# KiCad board Lime_RFE.kicad_pcb (continued)
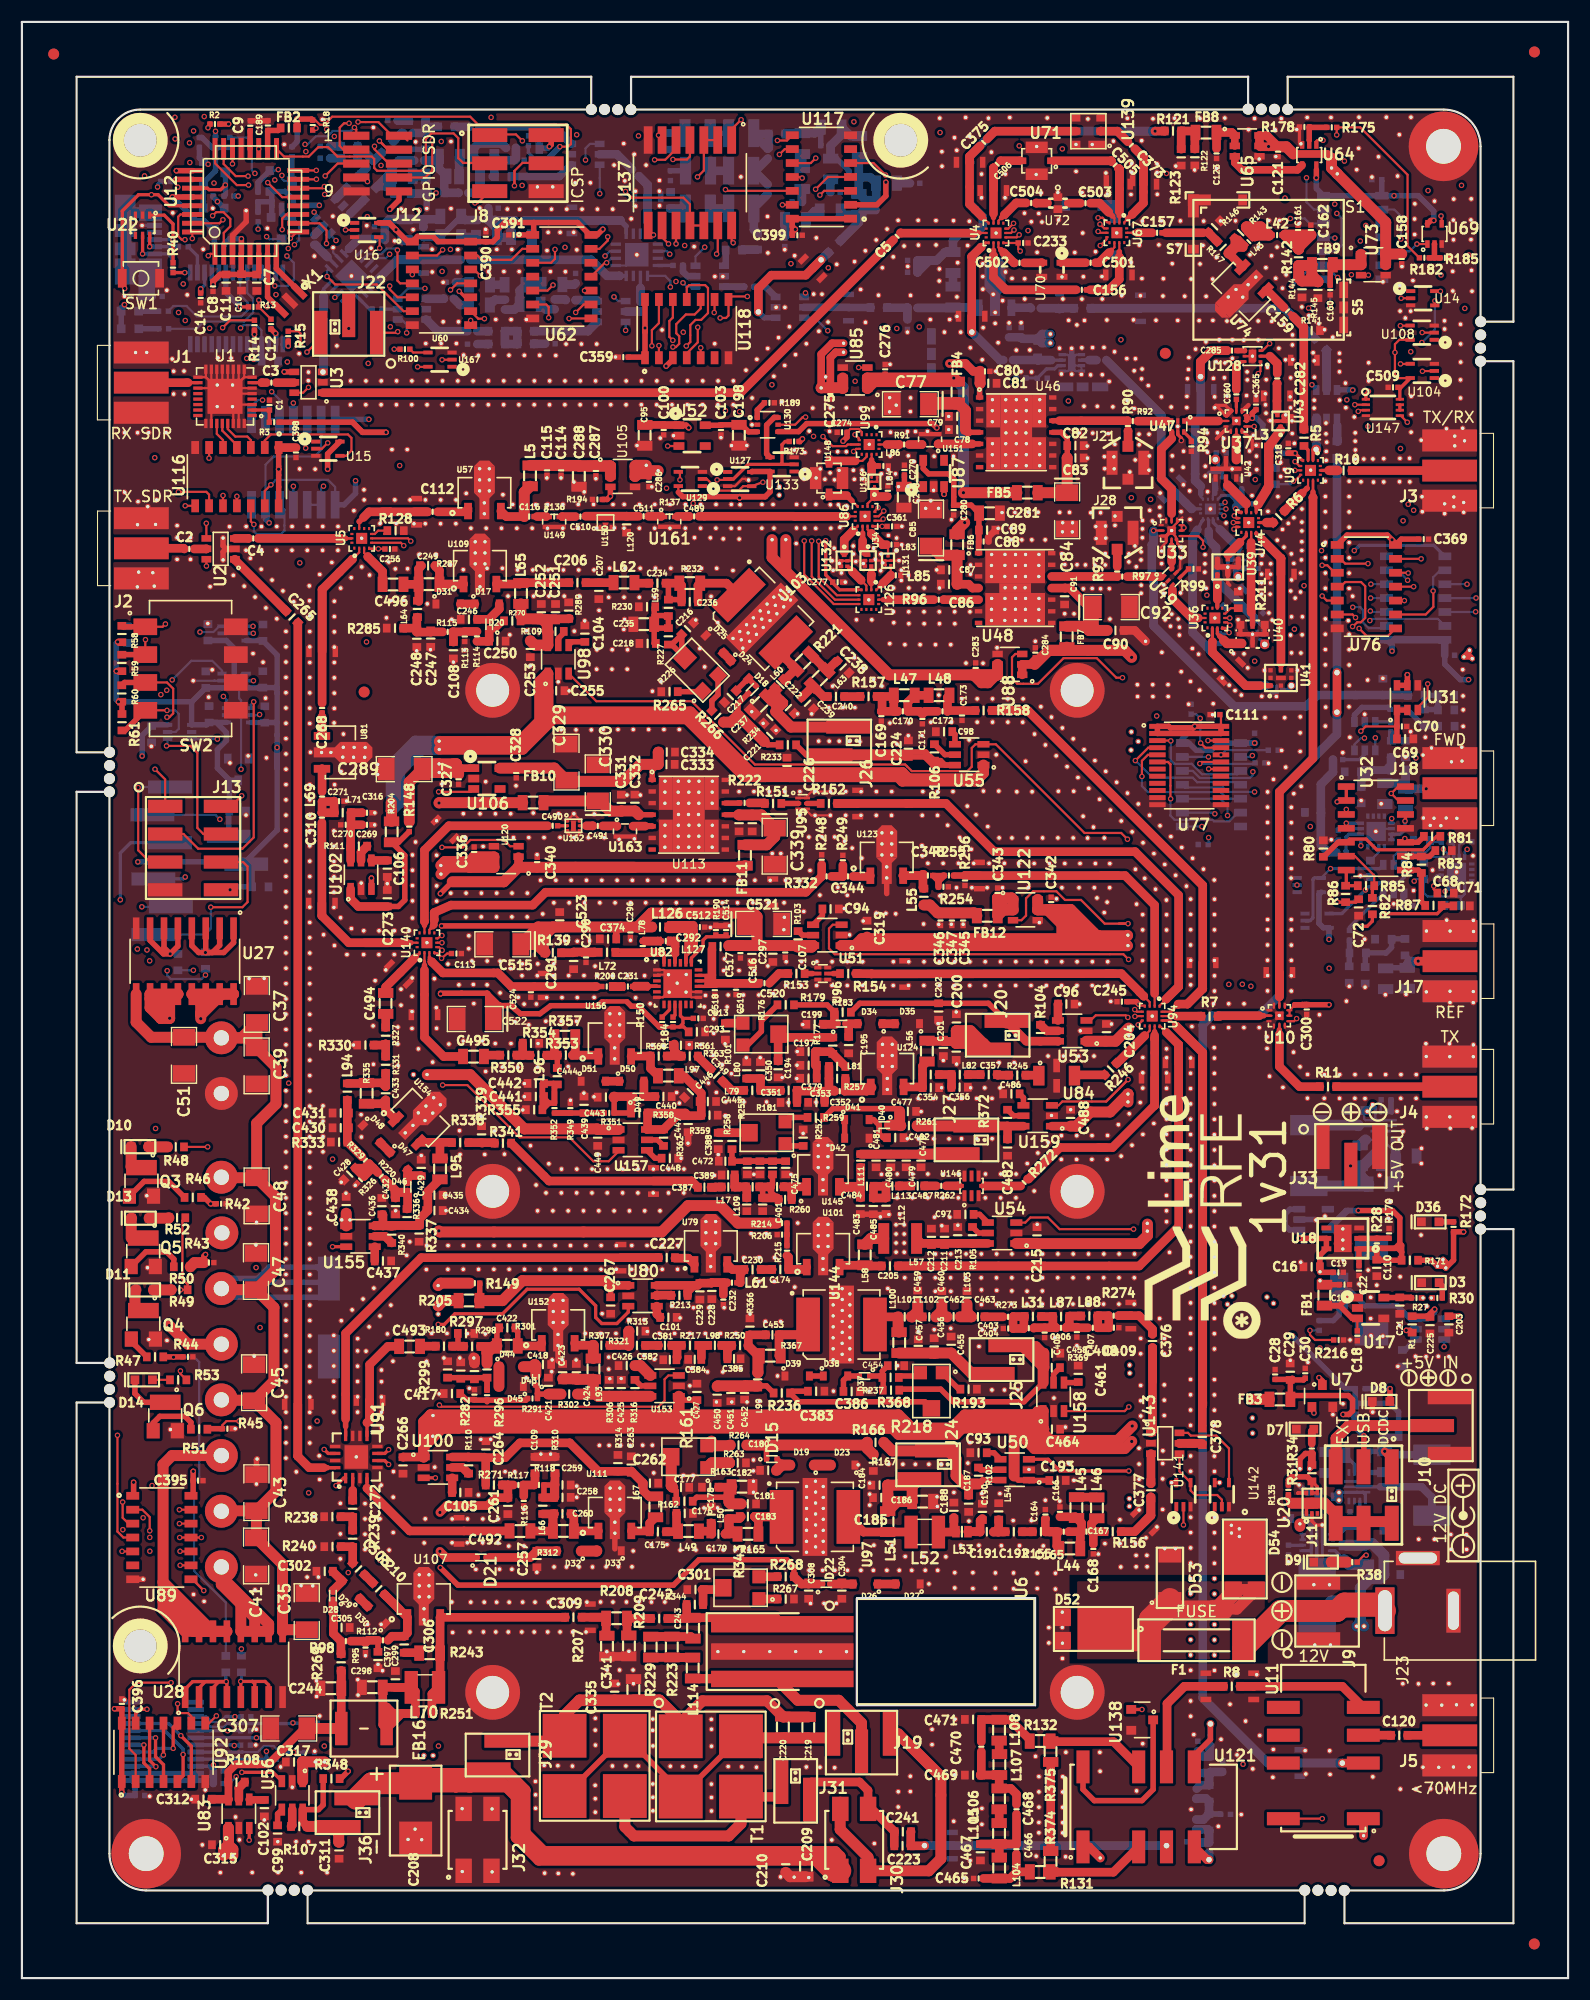
[diagram p0: board, top side]
## Routing (per net, layer and track width the routed paths; a pad name or vN(x,y) marks a point on that pad's centre or on a via; arc(x,y) is an arc through that point) (continued)
Net-(C165-Pad1): length 5.8
  T w0.79: C167.2 96.58,40.63 L44.1 ; C167.2 96.69,40.74 ; C167.2 96.69,40.74 ; C167.2 96.7,41.53 L45.2 96.13,42.1 C166.1 ; 96.69,40.74 95.53,40.74 C165.1
Net-(C167-Pad1): length 3.8
  T w0.79: L46.1 97.6,41.47 C167.1 ; C167.1 97.77,40.56 C168.1 ; C167.1 R156.2
Net-(C169-Pad1): length 6.3
  T w0.79: 78.5,116.96 79.46,116.96 L47.2 79.57,115.6 C170.2 78.43,115.6 C169.1 78.5,115.68 78.5,116.96 ; 78.5,116.96 R157.1
Net-(C170-Pad1): length 5.9
  T w0.79: C172.2 82.42,115.6 C171.1 81.92,115.6 C170.1 80.84,116.43 L47.1 L48.2
Net-(C172-Pad1): length 4.1
  T w0.79: L48.1 84.46,116.88 C172.1 84.53,115.67 C173.1 87,115.67 R158.2
Net-(C174-Pad1): length 3.1
  T w0.79: U101.1 71.41,64.67 C174.1 69.96,65.79 R215.1
Net-(C175-Pad1): length 2.7
  T w0.79: 59.74,40.82 59.74,42.4 C176.1 ; L49.2 59.83,40.73 C175.1
Net-(C177-Pad2): length 7.1
  T w0.5: R162.2 59.71,44.47 C177.2 59.39,47.6
  T w1: C177.2 59.25,44.92 R161.2
Net-(C178-Pad1): length 2.3
  T w0.79: 62.94,40.52 62.94,41.5 C178.1 ; 62.96,40.53 62.71,40.78 L49.1
Net-(C179-Pad1): length 6.8
  T w0.79: L50.2 65.47,41.94 65.65,42.12 ; L50.2 64.53,40.89 ; L50.2 64.53,40.89 ; L50.2 64.53,41.12 65.12,40.53 R165.2 65.3,40.53 64.16,40.53 64.53,40.89 ; L50.2 64.51,41.92
Net-(C180-Pad1): length 2.1
  T w0.5: 69.34,46.81 69.34,46.93 D15.2
  T w1: D19.2 69.34,46.81 C180.1
Net-(C181-Pad1): length 7.6
  T w0.5: L50.1 64.08,43.88 61.58,43.88 R162.1
  T w0.79: C182.2 64.73,44.8 R163.2
  T w1: 64.78,44.85 C182.2 64.53,44.59 L50.1 64.68,43.28 65.64,43.28
Net-(C183-Pad1): length 6.7
  T w0.79: R165.1 67.21,41.76 66.85,42.12 ; 66.85,42.12 69.29,42.12 U97.1 66.88,42.09 66.85,42.12
Net-(C184-Pad1): length 15
  T w0.2: 67.95,47.38 67.95,48.64
  T w0.5: 67.95,48.64 67.95,47.38 D15.1
  T w1: R264.2 76.9,48.64 R166.1 77.15,48.33 C184.1
Net-(C185-Pad2): length 10.5
  T w1: 79,45 R167.1 ; R167.1 79.02,43.85 79.02,43.84 79.02,42.63 L51.1 79.88,43.49 C186.1 81.24,44.92 J24.1 81.31,44.99 R167.1
Net-(C187-Pad1): length 16.2
  T w0.5: 87.65,45.44 R102.1 87.65,45.44 ; 87.65,45.44 U50.6 ; 87.65,45.44 88.9,45.44
  T w0.79: 86,45.09 86.4,44.69 C187.1
  T w1: R102.1 86,45.09 85.25,45.84 85.25,47.39 84.53,48.11 J24.2 79.43,48.11 R166.2
Net-(C188-Pad1): length 3
  T w0.79: 85.05,42.04 85.05,40.93 L53.2 85.2,40.7 L52.1
Net-(C189-Pad2): length 3
  T w0.5: FB2.1 23.38,168.6 C189.2 22.42,168.58 U12.18
Net-(C190-Pad1): length 3.4
  T w0.79: 87.65,41.94 87.45,41.74 87.45,40.71 87.41,40.74 L53.1 87.3,40.74 C191.1
Net-(C191-Pad2): length 3.6
  T w0.79: 88.65,40.71 88.65,40.71 89.05,40.71 ; 89.05,40.71 89.05,40.94 89.05,40.8 89.14,40.71 L54.1 ; 89.05,40.71 89.68,40.71 ; C191.2 C192.2
Net-(C194-Pad2): length 7.5
  T w0.79: R177.1 69.35,85.84 R176.2 69.01,86.11 C194.2
Net-(C195-Pad1): length 2.3
  T w0.79: C195.1 75.45,86.92 D16.2 D34.2
Net-(C196-Pad1): length 5.7
  T w0.7: C196.1 72.53,83.28 C379.1
  T w0.79: 72.4,83.29 72.4,84.54 73.8,84.54 R177.2 L81.1
Net-(C199-Pad1): length 6.3
  T w0.5: R183.1 73.47,88.81 R179.1
  T w0.79: R183.1 74.15,87.27 D16.1 74.27,87.04 C199.1
Net-(C200-Pad2): length 18.8
  T w0.79: 84.11,85.47 87.55,85.47 J20.1 ; 84.11,85.47 85.27,85.47 ; 84.11,85.47 84.09,85.49 82.65,85.49 L56.1
  T w1: 87.72,85.29 C380.2 85.27,85.29 85.27,86.44 C200.2 ; 87.72,85.29 86.44,85.29 C200.2 ; 87.72,85.29 J20.1 ; 87.72,85.29 J20.1 ; J20.1 86.56,86.45 C200.2
Net-(C202-Pad1): length 21
  T w0.5: R183.2 76.46,88.95 C202.1 88.2,88.95 J20.2
  T w0.79: 89.9,87.36 J20.2 ; J20.2 89.85,87.04 ; J20.2 91.66,85.49 R104.1 94.54,85.49 U53.6
Net-(C205-Pad2): length 3.9
  T w0.79: U101.3 74.78,65.05 L58.2 76.99,64.98 C205.2
Net-(C206-Pad1): length 2.5
  T w0.79: C206.1 C207.1 L62.2
Net-(C208-Pad1): length 162.7
  T w1: 40.22,17.75 40.27,17.71 40.19,17.78 C208.1 ; J29.1 40.96,17.45 40.77,17.45 ; J29.1 42.19,18.67 39.56,18.67 ; J29.1 45.11,16.57 ; J29.1 43.1,18.59 42.29,17.78 C208.1 ; J29.1 43.97,19.08 ; J29.1 41.24,19.08 39.6,17.45 ; 39.6,17.45 39.56,17.49 39.56,18.67 ; 39.6,17.45 39.26,17.78 C208.1 ; 39.6,17.45 36.27,17.45 C208.1 ; 39.6,17.45 40.77,17.45 ; C208.1 36.82,18.67 39.56,18.67 ; C208.1 36.86,17.78 ; C208.1 36.8,17.78 ; C208.1 36.96,17.78 ; C208.1 36.36,17.78 ; 45.11,16.57 44.24,17.45 40.77,17.45 ; 45.11,16.57 45.11,12.82 47.17,10.77 74.3,10.77 74.67,10.4 ; 43.97,19.08 45.91,17.14 ; 43.97,19.08 45.91,17.14 ; 45.91,17.14 45.91,13.25 47.62,11.54 ; 47.62,11.54 73.53,11.54 74.67,10.4 ; 47.62,11.54 74.22,11.54 74.67,11.09 74.67,10.4 ; C209.2 69.71,11.16 C210.2 ; 39.56,18.67 41.88,18.67
  T w2: J36.1 31.93,17.78 C208.1 ; 73.1,10.77 74.08,9.79 J30.1
Net-(C211-Pad2): length 6.7
  T w0.79: L57.1 82.1,67.04 C213.1 R105.1 U54.6
Net-(C214-Pad1): length 1.6
  B w0.5: U110.4 126.24,57.32 C214.1
Net-(C216-Pad2): length 5.6
  T w0.5: 59.3,121.69 R226.2 60.22,120.77 C216.2 59.3,121.69 ; 59.3,121.69 R227.1
Net-(C217-Pad1): length 2.6
  T w0.5: D18.2 66.96,117.93 D24.2 65.18,117.5 C217.1
Net-(C218-Pad1): length 7.6
  T w0.5: C235.1 58.05,123.19 R227.2 L59.1 ; C235.1 57.7,124.34 ; C235.1 57.7,121.79 57.7,121.79 ; R230.2 57.7,125.04 57.7,124.34 ; 57.7,124.34 58.95,124.34 L59.1 ; L59.1 58.65,124.29
Net-(C219-Pad1): length 46.3
  T w0.3: 60.12,17.02 T2.1
  T w0.5: T2.3 T2.1 60.12,17.02 T1.3 T1.1 ; T1.1 67.37,20.31 ; T1.1 66.38,22.07
  T w0.79: 60.71,15.62 60.71,17.21
  T w1: 69.47,21.92 C219.1 ; C219.1 65.76,21.92 T1.1 65.72,21.96 ; C219.1 73.71,21.92 J19.1
Net-(C219-Pad2): length 49.9
  T w0.5: 49.52,23.15 T2.2 49.42,22.21
  T w1: 60.12,23.32 62.1,25.3 67.99,25.3 C220.2 69.47,23.83 C219.2 ; 58.22,25.32 60.12,23.43 58.16,25.38 C341.2 ; 58.22,25.32 50.85,25.32 49.52,23.99 ; 58.22,25.32 57.5,25.32 57.44,25.38 C335.2 50.91,25.38 49.52,23.99 ; 49.52,23.99 T2.2 ; 49.52,23.99 T2.2 ; T2.2 49.03,21.62 J29.2
Net-(C221-Pad1): length 12.3
  T w0.5: D18.1 65.35,116.29 65.35,115.24 68.05,112.54 R233.1
  T w1: R266.2 64.72,114.61 65.35,115.24 67.72,112.87 C221.1
Net-(C222-Pad2): length 14.8
  T w0.79: C237.2 68.76,117.66 L60.1 68.81,117.08 69.52,116.37 69.52,116.32 R234.2 ; C237.2 68.78,116.16 R234.2 ; C237.2 68.02,116.91 ; R234.2 70.19,114.16 ; R234.2 68.97,115.57
  T w1: R234.2 70.19,114.16 J26.1
Net-(C223-Pad2): length 17
  T w0.79: 71.76,14.9 71.76,17.61 72.04,17.89 76.44,17.89 77.21,17.12 77.21,16.05 ; 77.21,15.11 77.21,16.05 ; 77.21,16.05 77.21,15.15 77.21,16.05 ; C223.2 79.61,13.32 C241.2 77.56,15.44 J30.3
Net-(C224-Pad1): length 20.3
  T w0.5: R233.2 71.57,111.62 J26.2 ; 83.12,110.69 82.37,111.44 C224.1 80.72,111.62 80.98,111.89 82.49,111.89 R106.1 83.83,111.1 84.24,110.69 U55.6 83.12,110.69
  T w1: J26.2 80.72,111.62
Net-(C227-Pad1): length 2
  T w0.79: U79.1 60.81,65.69 59.6,65.69
Net-(C228-Pad1): length 9.9
  T w0.79: 62.96,63.46 C228.1 ; 62.96,63.46 C228.1 ; 62.96,63.46 L61.1 ; 62.96,63.46 64.05,63.46 64.01,63.42 C232.1 ; C228.1 62.92,63.42 C229.1 61.66,63.21 61.31,63.21 ; 61.31,63.21 60.75,62.66 R213.1 ; 61.31,63.21 U80.6
Net-(C230-Pad2): length 3.4
  T w0.5: L61.2 65.55,63.46
  T w0.79: 65.55,63.46 65.55,64.28 C230.2 64.84,64.66 U79.3
Net-(C231-Pad1): length 7.2
  T w0.2: 54.44,90.19 53.86,90.19 53.84,90.21 53.84,90.78 53.85,90.79 54.17,90.79 ; 54.44,90.19 54.7,90.19 54.74,90.23 54.74,90.73 54.68,90.79 ; 54.44,90.19 54.95,90.19 54.98,90.22 54.98,90.74 54.93,90.79 54.68,90.79 ; 54.44,90.19 53.68,90.19 53.67,90.18 53.67,90.78 53.66,90.79 54.17,90.79 ; 54.17,90.79 54.68,90.79
  T w0.3: 53.84,90.5 53.85,90.49
  T w0.5: R200.1 54.74,90.49
Net-(C231-Pad2): length 11.4
  T w0.2: 57.99,90.5 57.1,90.5
  T w0.3: U82.4 55.62,90.5 55.62,90.5 ; U82.4 55.65,90.5 55.64,90.49 ; U82.4 57.1,90.5 ; U82.4 57.35,90.5 57.1,90.76 55.88,90.76 55.62,90.5 ; U82.4 57.36,90.5 57.12,90.26 55.87,90.26 55.62,90.5
Net-(C234-Pad1): length 5.9
  T w0.5: C236.2 60,125.79 L59.2 59,127.04 C234.1
  T w0.79: C234.1 R232.2 60.2,127.09 C236.2
Net-(C234-Pad2): length 1.4
  T w0.79: L62.1 55.95,127.29 C234.2
Net-(C236-Pad1): length 6.8
  T w0.79: 64.85,126.74 U103.1 ; U103.1 64.3,127.29 R232.1 61.7,127.09 C236.1 ; U103.1 65.09,126.2
Net-(C238-Pad1): length 3.4
  T w0.79: C238.1 74.33,120.17 L63.2 R221.1
Net-(C239-Pad1): length 3.3
  T w0.79: C239.1 72.12,117.83 L63.1 73.14,116.95 C240.2
Net-(C242-Pad1): length 12
  T w0.79: 60.84,32.88 60.77,32.81 C242.1 ; 60.84,32.88 60.66,33.06 R344.2 ; 60.84,32.88 68.8,32.88 U6.1
Net-(C242-Pad2): length 3.9
  T w0.79: C242.2 57.39,32.83 R208.1 55.22,31.52 55.48,31.25
Net-(C243-Pad1): length 5.9
  T w0.79: 57.4,31.17 61.05,31.17 C243.1 ; 57.4,31.17 R229.1 57.4,31.17 ; 57.4,31.17 R223.1
Net-(C244-Pad1): length 23
  T w0.7: C307.1 25.74,22.78 22.47,19.5 19.52,19.5 18.83,18.81 R108.1 18.85,17.87 U83.6
  T w0.79: 29.12,28.02 29.14,27.99 FB16.1 29.17,22.75 ; U83.6 18.82,16.32 C312.1 ; R269.1 29.14,28.06 C244.1
  T w1: 29.12,22.75 FB16.1 29.14,22.78 C307.1
Net-(C246-Pad1): length 2.9
  T w0.79: D17.2 43.56,124.93 D20.2 42.62,123.99 C246.1
Net-(C247-Pad1): length 5
  T w0.79: R115.1 37.31,122.85 37.29,122.82 36.04,122.82 36.04,123.19 ; L64.1 36.04,124.13 36.04,123.19 ; 36.04,123.19 R285.2
Net-(C249-Pad1): length 6.3
  T w0.79: 37.67,128.88 38.1,128.45 R287.1 ; R287.1 38.12,127.21 U109.1 40.28,127.19 R287.1
Net-(C249-Pad2): length 4.8
  T w0.79: 36.47,128.88 36.2,128.61 R287.2 ; R287.2 36.19,127.19 C496.2 ; R287.2 36.22,127.17 36.22,125.63
Net-(C250-Pad1): length 3.8
  T w0.5: R270.2 43.21,123.07 D20.1
  T w0.79: D20.1 42.65,122.09 42.54,121.99 R114.2
Net-(C251-Pad2): length 15
  T w0.7: C252.2 47.95,123.34 R109.1
  T w0.79: 45.5,125.37 L65.1 45.53,124.34 ; 47.35,123.99 47.4,124.04 ; 47.4,124.04 R289.1 49.95,124.09 ; 47.4,124.04 47.3,123.94 ; 47.4,124.04 48.7,124.04 ; 46.65,123.94 47.9,123.94
  T w1: 47.95,123.89 47.9,123.94 47.95,123.89 ; 47.95,123.89 R109.1 ; 48,122.84 R109.1 ; 48,122.84 R109.1 ; 48,122.84 U98.6 46.8,121.64 C253.1 ; L65.1 45.53,124.34 45.83,124.04 47.4,124.04
Net-(C254-Pad1): length 1
  B w0.5: L26.2 36.81,166.88 C254.1
Net-(C257-Pad1): length 8.8
  T w0.5: 46.39,38.39 C257.1 ; 48.79,38.99 D32.2 48.8,38.98 47.66,38.98 ; D21.2 42.66,38.39
  T w0.79: 48.79,38.99 D32.2 48.79,38.99 ; 48.79,38.99 C257.1 46.39,38.39 42.66,38.39
Net-(C258-Pad1): length 7.7
  T w0.5: 48.61,43.87 48.6,43.86 L66.1 47.64,43.96 R118.1 48.63,45
  T w0.79: 48.61,43.87 48.63,43.89 48.63,45 48.65,45.01 R310.1 ; C259.1 C258.1 48.57,43.86 L66.1
Net-(C260-Pad1): length 3.9
  T w0.79: C260.1 50.36,42.09 R312.1 50.38,40.81 U111.1
Net-(C260-Pad2): length 6.1
  T w0.79: C492.2 46.41,40.79 R312.2 ; R312.2 48.46,42.25 C260.2 48.57,42.36 L66.2 ; R312.2 48.46,42.12
Net-(C261-Pad1): length 17.3
  T w0.5: v1(38.15,38.94) 38.7,38.39
  T w0.79: 43.82,45 R271.2 44.35,45 ; 44.35,45 44.35,44.74 44.35,45 ; 44.35,45 R117.2 ; 44.35,45 44.35,43.79 ; v1(38.15,38.94) 38.7,38.39 D21.1 ; v1(38.15,42.49) 38.78,43.13 42.51,43.13 43.23,43.84 C261.1
  SIG1 w0.79: v1(38.15,38.94) v1(38.15,42.49)
Net-(C262-Pad2): length 23.8
  T w0.79: 42.2,47.54 42.32,47.41 R271.1 ; L67.1 57.22,43.96 56.71,44.47 56.71,45.16 55.61,46.27 55.59,46.24 R314.2 52.6,46.24 50,48.84 45.45,48.84 44.1,47.49 C264.1 ; U100.6 40.75,47.55 R110.1 41.95,47.54
Net-(C265-Pad2): length 6.7
  T w0.79: C265.2 19.43,129.43 U2.1
Net-(C268-Pad2): length 2.1
  T w0.2: 27.38,115.44 C268.2
  T w0.5: C268.2 27.38,115.44 27.38,115.1 ; U81.1 27.38,113.75
  T w0.79: 27.38,113.75 27.39,113.75 27.38,113.76 27.38,115.1
Net-(C269-Pad2): length 6.4
  T w0.79: C270.2 30.02,105.27 L71.1 31.04,106.35 C316.1 ; C270.2 R111.1 U102.6 ; C270.2 C269.2
Net-(C271-Pad1): length 4.4
  T w0.79: 27.39,106.36 C310.1 27.38,106.35 L71.2 28.49,106.38 C271.1 28.45,107.37 L69.1 27.39,106.36
Net-(C272-Pad1): length 2.3
  T w0.79: R238.2 30.16,42.1 C272.1 R239.1
Net-(C282-Pad2): length 2.7
  T w0.3: U128.2 113.89,148.01
  T w0.79: 113.89,148.01 114.56,147.34 C282.2
Net-(C285-Pad1): length 0.7
  T w0.5: C285.1 111.56,148.52 U128.4
Net-(C290-Pad2): length 5.3
  T w0.1: C290.2 51.5,93.61 L72.1
  T w0.79: 52.18,93.57 51.23,93.57 51.3,93.64 ; 52.25,93.64 51.3,93.64 ; 51.3,93.64 50.37,93.64 50.3,93.57 49.24,93.57
Net-(C292-Pad1): length 13.2
  T w0.2: 58.97,94.93 59.25,94.93 59.25,94.68 59.2,94.64 C292.1 ; 58.97,94.93 58.92,94.88 58.92,94.64 ; 58.97,94.93 59.89,94.93 59.89,94.13 59.84,94.08 ; 58.97,94.93 59.2,94.69 C292.1 ; 58.97,94.93 58.97,94.87 C292.1 ; 58.92,94.64 58.92,94.33 59.1,94.33 ; 58.92,94.64 59.2,94.64 C292.1 ; 59.1,94.33 59.35,94.33 59.35,94.38 ; 59.1,94.33 59.1,94.52 C292.1
  T w0.3: 59.67,94.7 59.35,94.38 59.35,93.42 59.59,93.17 U82.22 ; 59.67,94.7 59.67,94.52 59.59,94.45 59.59,93.92 ; 59.67,94.7 59.68,94.71 ; 59.59,93.92 59.59,94.24 C292.1 59.45,94.88 59.77,94.88 59.84,94.81 59.84,93.43 59.59,93.19 U82.22 ; 59.59,93.92 U82.22
Net-(C292-Pad2): length 6.5
  T w0.2: 58.03,94.93 56.7,94.93 56.65,94.88 L78.2 56.65,94.48 56.81,94.33 58.31,94.33 58.3,94.33 C292.2 ; 58.03,94.93 58.3,94.65 C292.2 ; 58.03,94.93 58.3,94.93 58.3,94.93 C292.2
  T w0.3: 56.66,94.63 L78.2
  T w0.6: L78.2 56.66,94.63 C292.2
Net-(C294-Pad2): length 5.3
  B w0.79: 119.06,148.28 119.05,148.28 119.05,146.58 ; 119.05,146.58 119.05,148.55 C294.2 ; 119.05,146.58 U8.5
Net-(C295-Pad1): length 1.2
  B w0.79: C295.1 34.64,168.37 L27.2
Net-(C295-Pad2): length 3.4
  B w0.79: C295.2 36.8,168.37 L26.1 36.82,168.91 ; 36.82,168.91 36.82,169.49 L23.1 ; 36.82,168.91 36.85,168.94 L20.1
Net-(C298-Pad1): length 18.8
  T w0.79: L70.1 35.91,26.15 R251.2 ; L70.1 35.52,26.52 ; L70.1 35.38,26.38 ; L70.1 35.52,26.52 ; L70.1 C298.1 32.93,23.13 FB16.2 ; 35.52,26.52 C299.1 ; FB16.2 34.65,24.14 R251.2 ; FB16.2 33.28,24.74 33.88,24.14 R251.2
Net-(C301-Pad2): length 3.4
  T w0.79: R343.2 63.84,35.45 62.07,35.45 62.16,35.36 R344.1
Net-(C302-Pad1): length 2.5
  T w0.79: C302.1 28.38,37.09 D29.2 28.4,35.38 D28.2
Net-(C303-Pad1): length 1.1
  T w0.79: R210.2 31.27,36.81 C303.1
Net-(C303-Pad2): length 2.6
  T w0.79: C303.2 30.18,37.87 R239.2 30.16,39.37 R240.2
Net-(C304-Pad1): length 2
  T w0.79: D22.2 73.88,35.96 74.82,35.96 D26.2
Net-(C305-Pad1): length 5.2
  T w0.79: R269.2 29.11,29.59 R98.2 28.42,31.44 C305.1 28.44,32.02 28.44,33.24 28.38,33.3 D28.1
Net-(C306-Pad1): length 1.4
  T w0.79: R243.1 36.22,29.69 C306.1
Net-(C306-Pad2): length 8.3
  T w0.79: 34.42,33.68 33.11,34.99 R210.1 33.1,34.99 U107.1 35.17,31.49 C306.2 33.77,31.19 R112.1
Net-(C308-Pad1): length 65.6
  T w0.5: v1(38.18,37.46) 39.78,35.86 59.46,35.86 61.78,38.18 69.81,38.18 70.45,37.53 R268.2 ; v1(29.77,18.87) 29.1,18.2 R348.1
  T w0.79: R268.2 71.13,35.96 71.79,35.96 71.8,35.97 D22.1
  SIG1 w0.5: v1(29.78,37) 29.77,36.99 v1(29.77,18.87)
  SIG2 w0.5: v1(29.78,37) 30.24,37.46 v1(38.18,37.46)
Net-(C309-Pad2): length 20.5
  T w0.79: C309.2 49.57,32.92 U107.3 38.16,32.91 R243.2 38.16,26.67 L70.2 37.41,25.92 R251.1
Net-(C311-Pad1): length 9.5
  T w0.5: R348.2 27.49,15.8 27.06,15.37 U56.6
  T w0.79: 26.05,13.83 R107.1 25.62,14.28 U56.6
  T w1: J36.2 28.91,12.42 C311.1 ; R107.1 27.89,13.84
Net-(C313-Pad2): length 2.4
  B w0.3: 120.04,142.33 120.04,141.33 120.03,141.31
  B w0.79: 120.04,141.64 120.04,140.25
  B w0.86: 120.04,140.25 120.04,140.25
Net-(C314-Pad1): length 1
  B w0.79: C314.1 29.12,167.17 L28.2
Net-(C320-Pad1): length 5
  B w0.79: 42.97,164.41 43.1,164.54 L73.2 43.42,165.89 C320.1 45.08,166.02 C321.2
Net-(C321-Pad1): length 8.7
  B w0.79: C321.1 43.78,167.42 41.67,167.42 41.2,166.95 L73.1 41.81,165.6 L74.2 41.81,162.92 C322.1 C323.2
Net-(C323-Pad1): length 6.4
  B w0.79: C323.1 39.84,162.92 C324.1 38.55,164.23 L76.2 38.05,165.12 38.05,166.2 37.72,165.87 C325.2
Net-(C325-Pad1): length 8.3
  B w0.79: L77.1 33.76,165.22 34.4,165.87 C325.1 ; L77.1 33.76,163.07 C326.1 33.31,163.51 32.45,163.51 33.37,164.43 L77.1
Net-(C330-Pad1): length 15.9
  T w0.5: C330.1 52.39,107.26 FB10.1 ; C332.1 56.28,106.16 U113.4
  T w1: 52.65,107.5 53.66,106.49 C331.1 54.72,106.51 C332.1 56.28,106.16 ; FB10.1 47.76,107.42 C330.1
Net-(C337-Pad1): length 8.8
  T w0.5: C337.1 65.42,106.16 U113.11
  T w1: 65.42,106.16 C337.1 C338.1 67.5,106.14 C339.1 68.7,104.14 67.97,103.41 66.01,103.41
Net-(C343-Pad1): length 7.7
  T w1: 89.05,98.57 89.05,98.26 89.82,97.48 U122.2 ; 89.05,98.57 90.31,98.57 U122.1 U122.2 ; 89.05,98.57 C343.1 89.05,98.57 FB12.2 89.58,97.48 U122.2
Net-(C344-Pad1): length 1.6
  T w0.79: U123.1 77.36,100.54 C344.1
Net-(C344-Pad2): length 2.1
  T w0.79: R332.1 C344.2 74.92,100.55 R249.1
Net-(C345-Pad1): length 7.5
  T w0.2: FB12.1 87.14,96.96 C345.1 ; 83.76,96.97 84.82,96.97
  T w1: FB12.1 86.89,97.21 83.57,97.21 82.86,97.92 L55.1
Net-(C348-Pad1): length 3.5
  T w0.5: R254.1 83.64,100.1 C348.1 R255.2
  T w0.6: R255.2 83.64,100.11 R254.1
Net-(C348-Pad2): length 4.9
  T w0.79: 82.21,100.6 C348.2 ; 82.21,100.6 81.84,100.6 ; 82.21,100.6 C348.2 ; C348.2 82.22,99.51 L55.2 ; 82.18,100.61 80.4,100.61 81.82,100.61
  T w1: 82.21,100.6 C348.2 82.21,100.6
Net-(C349-Pad1): length 2.3
  T w0.79: C349.1 64.77,81.01 L79.2
Net-(C350-Pad2): length 4.5
  T w0.79: 69.21,81.01 C351.2 ; C351.2 69.25,80.98 ; C351.2 69.22,81.01 L79.1 67.4,82.09 C350.2 ; C350.2 67.4,81.81 ; C350.2 L80.1
Net-(C351-Pad1): length 8.2
  T w0.79: 74.08,81.04 C353.2 73.65,80.94 ; 73.65,80.94 70.8,80.94 C351.1 70.73,81 R181.2 ; 73.65,80.94 73.25,80.54 C352.1 ; 73.65,80.94 R257.2 L81.2
Net-(C353-Pad1): length 7.7
  T w0.79: U124.1 77.07,80.94 C353.1 75.15,81 R257.1 ; 75.18,81.25 77.46,81.25 77.47,81.27 ; 77.48,81.29 77.42,81.23 75.88,81.23
  T w1: 77.46,81.25 77.47,81.27
Net-(C354-Pad1): length 4.3
  T w0.79: U124.3 82.13,81.32 C354.1 82.19,81.27 C355.1 82.19,83.23 L56.2
Net-(C355-Pad2): length 2.3
  T w0.79: C356.1 84.84,81.31 L82.2 84.83,82.45 C355.2
Net-(C357-Pad2): length 1.1
  T w0.79: L82.1 86.34,82.45 C357.2
Net-(C358-Pad2): length 1.2
  B w0.5: U30.1 126.03,98.89 C358.2
Net-(C360-Pad1): length 3
  T w0.3: U128.6 111.28,147.51 110.82,147.06
  T w0.79: C360.1 110.82,147.06
Net-(C366-Pad1): length 1
  B w0.79: C366.1 29.11,166.08 L29.2
Net-(C367-Pad1): length 1.1
  B w0.79: L30.2 30.7,164.43 C367.1
Net-(C367-Pad2): length 3.9
  B w0.79: 30.63,166.6 31.34,166.6 C367.2 32.82,166.56 L27.1 ; 30.63,166.6 30.63,167.17 L28.1 ; 30.63,166.6 L29.1
Net-(C370-Pad1): length 1
  B w0.79: L116.1 42.57,149.11 C370.1
Net-(C371-Pad1): length 1
  B w0.79: L117.1 46.73,149.14 C371.1
Net-(C372-Pad2): length 1
  B w0.79: C372.2 L118.1
Net-(C373-Pad1): length 2.9
  T w0.79: C373.1 99.96,168.54 U139.2 98.46,168.55
Net-(C375-Pad2): length 8.4
  T w0.79: C375.2 88.79,168.54 U139.5
Net-(C376-Pad1): length 14.1
  T w0.1: U143.1 103.02,49.77
  T w0.2: 103.02,49.77 U143.1
  T w0.5: 103.02,49.77 U143.1 ; 103.17,57.54 103.17,54.42
  T w0.79: U143.1 103.17,49.9 103.17,57.54 103.18,57.52 103.18,54.41
Net-(C377-Pad2): length 2.8
  T w0.1: U143.3 103.02,47.85
  T w0.79: U143.3 103.03,45.12 103.02,45.11
Net-(C378-Pad1): length 5.9
  T w0.1: 107.48,48.81 107.49,48.82
  T w0.2: 107.48,48.81 U143.5
  T w0.79: 106.5,48.81 107.02,48.81 U143.5 105.65,48.79 107.72,48.79
Net-(C378-Pad2): length 79.8
  T w0.1: 104.1,87.39 104.49,87.39
  T w0.2: 104.1,87.39 104.49,87.39 104.1,87.39 ; 104.1,87.39 104.83,87.39 105.35,86.87 ; C378.2 107.76,50.49 107.72,50.46 C378.2 ; C378.2 107.72,52.56 107.76,52.59 107.76,52.28 107.72,52.24 107.76,52.24
  T w0.79: 107.76,52.38 107.76,52.59 107.76,52.24 107.76,84.46 105.35,86.87 107.72,84.49 107.72,50.52
Net-(C381-Pad1): length 2.5
  T w0.79: 59.32,57.74 59.79,57.74 59.79,56.66 59.8,56.65 ; C381.1 R217.2
Net-(C383-Pad2): length 15.2
  T w0.5: R218.2 82.4,52.59 70.9,52.59 R236.1 70.26,53.55 C383.2
Net-(C384-Pad1): length 1.7
  T w0.79: 62.01,56.61 62.01,57.7 62.05,57.74 62.56,57.74 62.56,57.74
Net-(C385-Pad1): length 2.3
  T w0.79: L98.1 R250.2 64.38,57.33 C385.1
Net-(C386-Pad1): length 2.7
  T w0.5: 75.3,54.88 D38.2 ; D38.2 74.97,54.55 C386.1 ; D38.2 D37.2
Net-(C387-Pad1): length 1
  T w0.79: C387.1 63.27,72.17 63.29,72.19 L17.2
Net-(C388-Pad2): length 3.2
  T w0.5: 66.3,77.24 R253.2
  T w0.79: R253.2 R258.1 C388.2
  T w1: 66.4,76.94 R253.2
Net-(C389-Pad2): length 3.1
  T w0.79: 65.04,73.22 65.04,72.22 L17.1 65.49,72.19 65.51,72.21 C400.2 66.15,72.14 L109.1
Net-(C393-Pad1): length 1.1
  B w0.2: C393.1 124.01,80.12 U90.9
Net-(C397-Pad1): length 3.7
  T w0.5: R112.2 32.49,30.81 C397.1
  T w0.79: R98.1 31.2,30.75 R95.1 31.58,30.82 R112.2
Net-(C400-Pad1): length 6.8
  T w0.5: 68.31,73.16 L110.2 68.5,72.39 C476.2 ; R260.2 68.31,71.77 C476.2 ; C400.1 67.6,71.89 C401.1 ; C476.2 68.31,72.02
  T w0.79: 68.33,72.23 C476.2 68.31,72.21 C400.1 ; R260.2 68.9,71.19 C401.1
Net-(C402-Pad1): length 2.8
  T w0.5: D41.2 77.72,78.34 D40.2 78.22,77.07 78.6,76.69 C402.1
Net-(C403-Pad1): length 4.2
  T w0.79: 91.4,59.28 C404.2 91.43,60.3 L31.2 90.47,60.37 R273.1 90.44,59.29 C403.1 91.4,59.28
Net-(C404-Pad1): length 4.3
  T w0.79: L31.1 93.01,60.37 94.07,60.37 L87.2 94.08,59.63 C406.2 94.36,59.35 C405.1 92.37,59.35 C404.1
Net-(C406-Pad1): length 4.3
  T w0.79: L88.2 95.63,60.42 L87.1 95.58,59.65 C406.1 95.32,59.39 C407.1 96.32,59.35 C408.2
Net-(C408-Pad1): length 4.2
  T w0.79: 98.19,60.45 R274.2 99.18,59.37 C409.1 99.2,59.35 C408.1 98.17,60.4 L88.1 98.19,60.45
Net-(C410-Pad1): length 6.1
  B w0.5: 107.17,12.48 107.21,12.44 107.21,13.68 107.17,13.72 C411.2 107.17,12.48
  B w0.79: 107.21,12.44 107.27,12.38 R275.1 108.34,13.45 L89.2 108.23,13.57 C411.2 107.21,13.53
Net-(C411-Pad1): length 4.9
  B w0.5: C412.1 109.36,14.97 L89.1
  B w0.79: 107.17,16.35 C413.2 108.05,16.39 L90.2 108.32,16.09 L89.1 107.82,14.47 C411.1
Net-(C413-Pad1): length 6.1
  B w0.5: 107.21,18.65 C415.2 ; C414.1 109.38,18.72 L91.2
  B w0.79: L91.2 108.34,18.67 L90.1 107.52,17.6 C413.1 ; L91.2 108.49,18.82 109.54,18.82 ; L91.2 107.27,18.72 C415.2 107.21,18.65
Net-(C415-Pad1): length 3.5
  B w0.5: C415.1 107.31,19.65 C416.1
  B w0.79: R276.2 108.38,21.15 L91.1 107.81,20.22 C416.1
Net-(C417-Pad1): length 6.5
  T w0.5: 42.45,52.59 R296.2 46,52.74 R291.1 ; C417.1 40.55,52.79 R282.2 ; 41.25,52.74 42.3,52.74
Net-(C418-Pad1): length 2.1
  T w1: D44.2 46.6,55.79 C418.1 46.9,55.89 D43.2
Net-(C419-Pad1): length 5.7
  T w0.5: R299.1 L92.1 R296.1 42.45,54.59
Net-(C421-Pad1): length 3.5
  T w0.5: 47.05,53.34 47.05,53.97 D43.1 ; 47.05,53.34 R291.2 ; 47.05,53.34 47.1,53.29 C421.1
  T w1: R302.2 C421.1
Net-(C422-Pad1): length 4.1
  T w0.5: 44.9,59.34 45.25,58.99 R301.1
  T w0.79: U152.1 47.19,57.69 R301.1
Net-(C422-Pad2): length 7.2
  T w0.5: 42.45,57.39 L92.2 ; 43.7,59.34 43.34,58.99 R301.2
  T w0.79: R301.2 43.3,57.64 R298.1
  T w1: R301.2 43.05,57.64 42.45,57.04 42.45,57.39 42.45,56.09
Net-(C423-Pad2): length 11.3
  T w1: 52.6,53.09 R306.2 C425.1 R316.1 U153.6 ; 52.6,53.09 52.15,53.54 L93.1 50.65,54.64 50.6,54.69 49.35,54.69 ; 52.6,53.09 52.4,53.29 R302.1
Net-(C426-Pad1): length 1.8
  T w1: U153.4 56.45,55.89 C426.1
Net-(C428-Pad1): length 4.8
  T w0.79: 32.07,73.92 R220.1 ; 32.07,73.92 31.97,73.92 R326.2 31.19,73.16 C428.1 31.24,73.9 R329.2 32.07,73.92
Net-(C429-Pad1): length 2.4
  T w0.79: D47.2 35.2,73.74 35.2,73.23 ; 35.2,73.23 36.39,73.23 C429.1 ; 35.2,73.23 D46.2
Net-(C430-Pad1): length 5.7
  T w0.79: R329.1 R333.1 L94.1
Net-(C432-Pad1): length 5.8
  T w0.79: R336.2 35.2,70.24 D46.1 ; D46.1 35.17,71.69 34.05,71.69 34.05,71.24 C432.1 ; D46.1 34.27,71.72 R220.2
Net-(C433-Pad1): length 4
  T w0.79: U154.1 33.2,79.31 33.2,80.14 32.84,79.79 R335.1
Net-(C433-Pad2): length 4.9
  T w0.79: R331.1 33.2,81.34 32.84,81.69 R335.2 31.39,81.64 L94.2
Net-(C434-Pad2): length 17.8
  T w0.79: 32.95,68.64 33.7,68.64 ; 32.95,68.64 32.95,69.64 32.9,69.69 ; 32.95,68.64 U155.6 32.25,68.69 R337.2 ; 33.85,68.69 R337.2 ; 33.85,68.69 R337.2 ; 33.85,68.69 R340.1 ; 35.05,68.69 36.3,68.69 36.3,69.29 37.05,70.04 37.05,71.79 L95.1
Net-(C437-Pad1): length 1.3
  T w0.79: C437.1 U155.4
Net-(C439-Pad1): length 7.9
  T w0.5: R349.2 C439.1 R351.1 51,78.94 ; R349.2 48.85,78.94 ; R349.2 R352.2
Net-(C440-Pad1): length 2.5
  T w0.79: D50.2 56.76,80.48 D49.2 C440.1
Net-(C441-Pad1): length 12.7
  T w0.5: 48.1,79.84 47.5,80.44 ; 48.1,79.84 R355.1 ; 48.1,79.84 R352.1 ; 47.5,80.44 47.5,81.64 ; 47.5,80.44 R355.1 ; R355.1 47.5,81.64 ; L96.1 48.6,81.29 R352.1 ; R352.1 48.6,80.89 ; R352.1 48.6,81.54 48.5,81.64 47.5,81.64
Net-(C443-Pad1): length 6.2
  T w0.5: R358.2 R351.2 C443.1
  T w0.79: C443.1 54.1,80.44 D49.1 55.6,80.27 55.6,79.09
Net-(C444-Pad1): length 4.2
  T w0.79: 52.53,84.17 U156.1 ; R357.1 50.5,84.48 50.24,84.22 52.59,84.22
Net-(C444-Pad2): length 5.4
  T w0.5: 48.6,84.35 48.73,84.21 49.04,84.22 ; C444.2 48.86,84.2 L96.2
  T w0.7: 48.86,84.2 C444.2
  T w0.79: C444.2 48.88,84.21 R354.1 48.4,84.21 48.4,84.24 48.7,84.24 48.73,84.21 48.59,84.35 R357.2
Net-(C445-Pad2): length 15.5
  T w0.79: C447.1 61.95,78.69 R359.2 62,80.74 60.39,82.34 L97.1 ; C447.1 59.8,78.69 R362.1 U157.6 57.1,77.49 R358.1 60.55,78.94 C447.1
Net-(C448-Pad1): length 2.7
  T w0.2: 57.77,74.81 U157.4
  T w0.5: U157.4 57.77,74.81 C448.1
Net-(C450-Pad1): length 7.9
  T w0.5: 67.15,54.04 67.95,54.04 R236.2
  T w1: 64.7,53.99 C452.1 66,54.04 67.15,54.04 63.5,54.04 C450.1
Net-(C453-Pad1): length 7.6
  T w0.79: C453.1 69.09,56.8 69.07,56.79 ; C453.1 70.8,58.7 U144.1 ; C453.1 71.69,58.7
Net-(C453-Pad2): length 6.8
  T w0.79: R367.2 67.24,56.79 R250.1 66.29,58.55 R366.2 67.88,58.7 C453.2 ; 67.17,56.79 66.24,57.72
  T w1: 67.17,56.79 67.17,55.27 67.15,55.24
